# Allegro board LAY-95869_A.brd (continued)
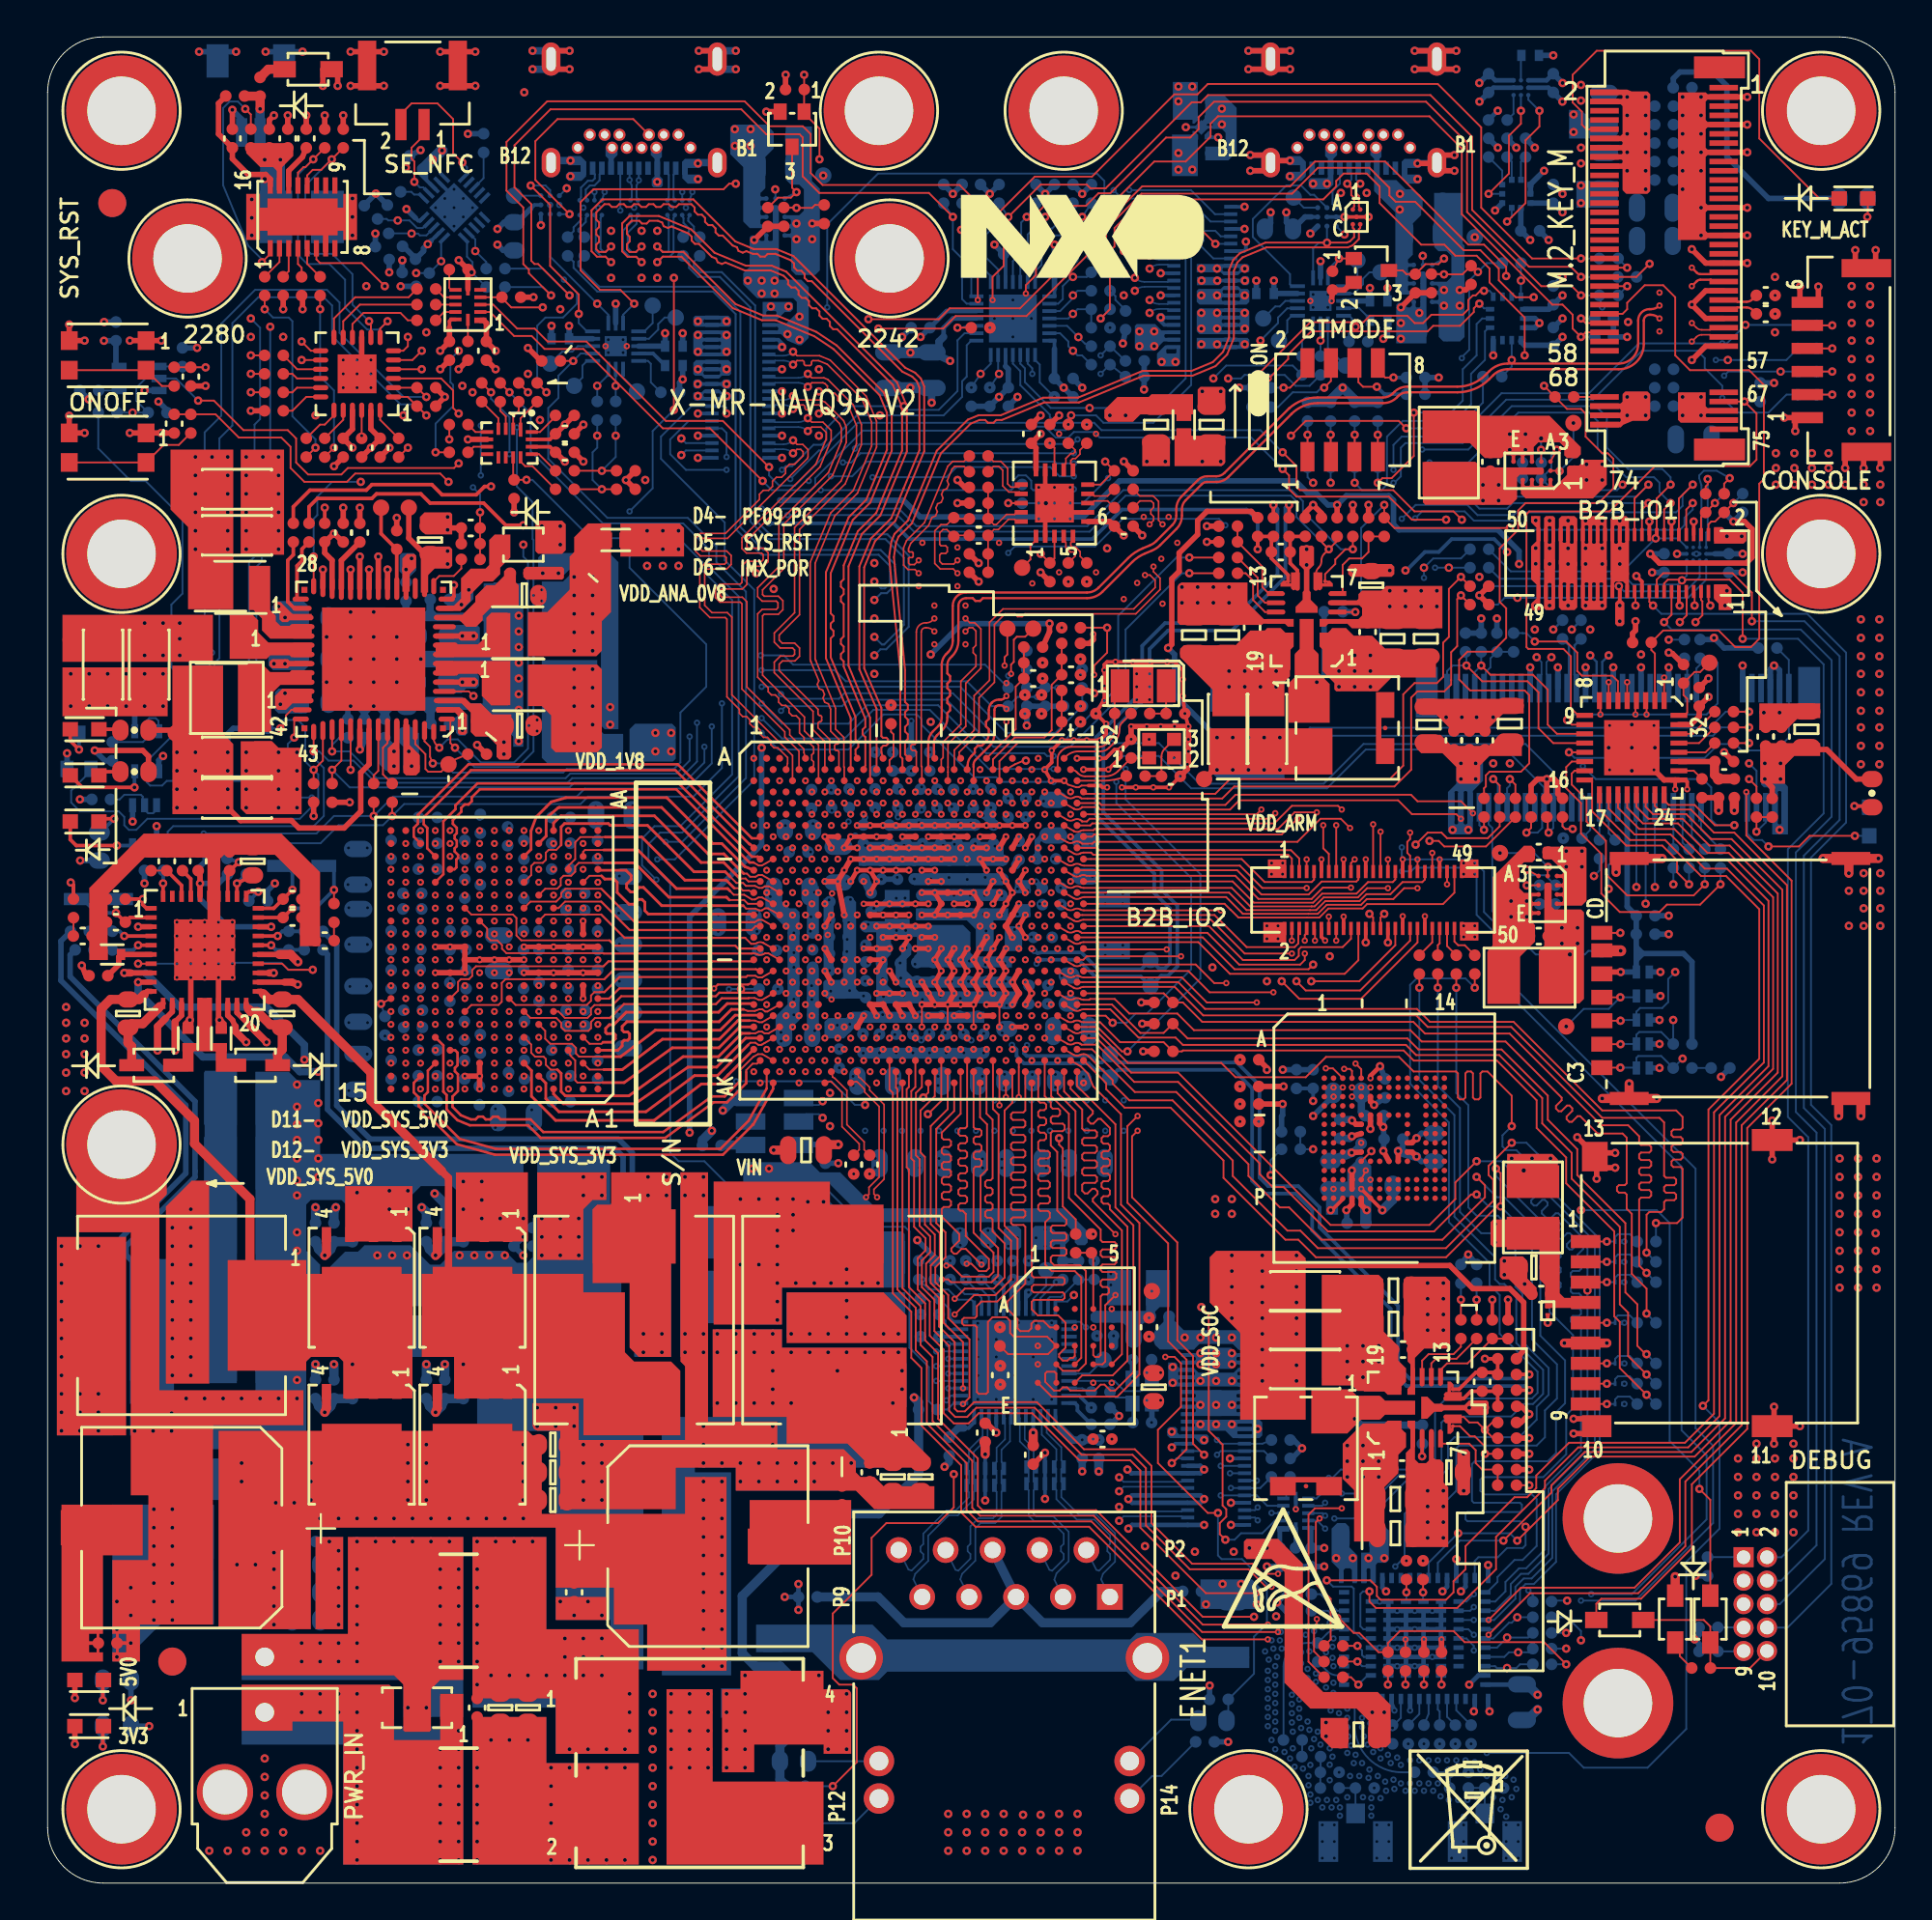
[diagram p0: board, top side]
## Routing (per net, layer and track width the routed paths; a pad name or vN(x,y) marks a point on that pad's centre or on a via; arc(x,y) is an arc through that point) (continued)
  BOTTOM w0.102: U35.26 50.55,31.7 50.35,31.9 49.64,31.9 v9(48.85,32.69) R315.2
ENET1_RD1: length 19.3
  TOP w0.102: v8(48.4,32.7) 48.75,32.7 48.9,32.55 51.1,32.55 51.45,32.9 51.45,34.4 50.5,35.35 50.5,38.3 50.85,38.65 50.85,41.1 50.47,41.48 U12.AK36
  L4_GND2 w0.3: v8(48.4,32.7) v6(47.85,32.7)
  L7_GND3 w0.3: v6(47.85,32.7) 47.36,32.7 v9(47.35,32.69)
  BOTTOM w0.102: U35.25 50.15,31.45 50,31.6 49.3,31.6 48.75,32.15 47.69,32.15 R316.1
ENET1_RD2: length 19.2
  TOP w0.102: v8(49.1,31.65) 49.65,32.2 51.2,32.2 51.8,32.8 51.8,34.65 51.15,35.3 51.15,35.94 51.05,36.04 50.85,36.04 50.75,36.14 50.75,36.35 50.85,36.45 51.05,36.45 51.15,36.55 51.15,36.75 51.05,36.85 50.85,36.85 50.75,36.96 50.75,37.16 50.85,37.26 51.05,37.26 51.15,37.36 51.15,37.57 51.05,37.67 50.85,37.67 50.75,37.77 50.75,37.97 50.85,38.07 51.05,38.07 51.15,38.17 51.15,41.35 50.82,41.68 U12.AJ37
  L4_GND2 w0.3: v8(49.1,31.65) v6(48.7,31.65)
  L7_GND3 w0.3: v6(48.7,31.65) 48.69,31.64 48.26,31.64 v9(48.26,31.65)
  BOTTOM w0.102: U35.24 49.09,30.4 48.85,30.64 48.85,31.06 v9(48.26,31.65)
ENET1_RD3: length 18.6
  TOP w0.102: v8(49.1,30.8) 50.15,31.85 51.3,31.85 52.15,32.7 52.15,34.8 51.48,35.48 51.48,41.62 51.17,41.93 U12.AH38
  L4_GND2 w0.3: v8(49.1,30.8) v6(48.7,30.8)
  L7_GND3 w0.3: v9(48.26,30.8) 48.26,30.79 48.69,30.79 v6(48.7,30.8)
  BOTTOM w0.102: U35.23 48.8,30 48.6,30.2 48.6,30.46 v9(48.26,30.8)
ENET1_RX_CTL: length 20.4
  TOP w0.102: v8(49.75,33.55) 50,33.55 50.4,33.15 50.8,33.15 50.95,33.3 50.95,33.8 49.7,35.05 49.7,36.25 49.53,36.42 49.4,36.42 49.3,36.52 49.3,36.72 49.4,36.82 49.67,36.82 49.77,36.92 49.77,37.13 49.67,37.23 49.4,37.23 49.3,37.33 49.3,37.53 49.4,37.64 49.67,37.64 49.77,37.74 49.77,37.94 49.67,38.04 49.4,38.04 49.3,38.14 49.3,38.35 49.4,38.45 49.67,38.45 49.77,38.55 49.77,38.75 49.67,38.85 49.4,38.85 49.3,38.96 49.3,39.16 49.4,39.26 49.67,39.26 49.77,39.36 49.77,39.57 49.67,39.67 49.4,39.67 49.3,39.77 49.3,39.97 49.4,40.07 49.67,40.07 49.77,40.18 49.77,40.38 49.67,40.48 49.4,40.48 49.3,40.58 49.3,40.79 49.4,40.89 49.67,40.89 49.77,40.99 U12.AH34
  L4_GND2 w0.3: v6(49.7,33.1) v8(49.75,33.55)
  L7_GND3 w0.3: v9(49.7,32.69) v6(49.7,33.1)
  BOTTOM w0.102: v9(49.7,32.69) 50.24,32.15 50.55,32.15 50.95,31.75 U35.27
ENET1_RXC: length 19.4
  TOP w0.102: U12.AJ33 49.42,41.67 48.4,40.65 48.4,40.38 48.5,40.28 48.8,40.28 48.9,40.17 48.9,39.97 48.8,39.87 48.5,39.87 48.4,39.77 48.4,39.57 48.5,39.46 48.8,39.46 48.9,39.36 48.9,39.16 48.8,39.06 48.5,39.06 48.4,38.96 48.4,38.75 48.5,38.65 48.8,38.65 48.9,38.55 48.9,38.35 48.8,38.24 48.5,38.24 48.4,38.14 48.4,37.94 48.5,37.84 48.8,37.84 48.9,37.74 48.9,37.53 48.8,37.43 48.5,37.43 48.4,37.33 48.4,37.13 48.5,37.03 48.8,37.03 48.9,36.92 48.9,36.72 48.8,36.62 48.5,36.62 48.4,36.52 48.4,36.1 49.35,35.15 49.35,34.81 48.92,34.38 48.92,34.23 49.06,34.09 49.2,34.09 49.47,34.35 49.7,34.35 v8(50.55,33.5)
  L4_GND2 w0.3: v8(50.55,33.5) v6(50.55,33.1)
  L7_GND3 w0.3: v9(50.55,32.69) v6(50.55,33.1)
  BOTTOM w0.102: U35.28 51.35,31.89 v9(50.55,32.69)
ENET1_TD0: length 32.7
  L3_IN1 w0.102: v7(54.6,28.4) 55,28.4 55.95,29.35 55.95,37.64 55.75,37.84 55.61,37.84 55.48,37.71 55.34,37.71 55.2,37.85 55.2,38 55.32,38.12 55.32,38.27 55.11,38.48 54.61,38.48 54.5,38.38 54.5,37.9 54.4,37.8 54.2,37.8 54.1,37.9 54.1,38.38 54,38.48 53.42,38.48 53.3,38.6 53.3,38.8 53.78,39.28 53.78,39.42 53.63,39.57 53.49,39.57 53.03,39.1 52.8,39.1 52.25,39.65 52.25,39.8 52.45,40 52.45,40.15 52.3,40.3 52.15,40.3 51.95,40.1 51.8,40.1 49.42,42.48 v4(49.42,45.16)
  L4_GND2 w0.3: v6(54.2,28.4) v7(54.6,28.4)
  L7_GND3 w0.3: v7(54.6,28.4) v6(54.2,28.4)
  L8_IN2 w0.102: v7(54.6,28.4) 54.34,28.14 50.09,28.14 49.83,28.4 v3(48.75,28.4)
  BOTTOM w0.102: U35.19 v3(48.75,28.4)
ENET1_TD1: length 33.3
  L3_IN1 w0.102: v7(55.25,28) 56.25,29 56.25,35.5 56.35,35.61 56.6,35.61 56.7,35.71 56.7,35.91 56.6,36.01 56.35,36.01 56.25,36.11 56.25,36.32 56.35,36.42 56.6,36.42 56.7,36.52 56.7,36.72 56.6,36.83 56.35,36.83 56.25,36.93 56.25,37.81 55.21,38.85 54.8,38.85 53.65,40 53.43,40 53.01,39.58 52.87,39.58 52.73,39.72 52.73,39.87 53.15,40.29 53.15,40.5 53.05,40.6 51.7,40.6 50.12,42.18 v4(50.12,45.16)
  L4_GND2 w0.3: v6(55.65,28) v7(55.25,28)
  L7_GND3 w0.3: v7(55.25,28) v6(55.65,28)
  L8_IN2 w0.102: v7(55.25,28) 54.59,28 54.43,27.84 49.68,27.84 49.52,28 v3(48.1,28)
  BOTTOM w0.102: U35.18 v3(48.1,28)
ENET1_TD2: length 31.4
  L3_IN1 w0.102: v7(54.75,27.6) 55.8,27.6 56.95,28.75 56.95,37.6 55.35,39.2 54.9,39.2 53,41.1 52.4,41.1 52.25,40.95 51.8,40.95 50.47,42.28 v4(50.47,45.77)
  L4_GND2 w0.3: v6(54.35,27.6) v7(54.75,27.6)
  L7_GND3 w0.3: v7(54.75,27.6) v6(54.35,27.6)
  L8_IN2 w0.102: v3(48.75,27.6) 49.35,27.6 49.78,27.17 54.32,27.17 v7(54.75,27.6)
  BOTTOM w0.102: U35.17 v3(48.75,27.6)
ENET1_TD3: length 32.5
  L3_IN1 w0.102: v4(50.82,45.16) 50.82,42.33 51.67,41.48 53.06,41.48 55.04,39.5 55.55,39.5 57.25,37.8 57.25,28.45 v7(56,27.2)
  L4_GND2 w0.3: v6(55.6,27.2) v7(56,27.2)
  L7_GND3 w0.3: v7(56,27.2) v6(55.6,27.2)
  L8_IN2 w0.102: v7(56,27.2) 55.68,26.88 49.55,26.88 49.23,27.2 v3(48.1,27.2)
  BOTTOM w0.102: U35.16 v3(48.1,27.2)
ENET1_TX_CTL: length 34.5
  L3_IN1 w0.102: v5(54.6,29.2) 54.6,29.7 55,30.1 55,31.9 55.25,32.15 55.25,32.46 55.35,32.57 55.55,32.57 55.65,32.67 55.65,32.87 55.55,32.97 55.15,32.97 55.05,33.07 55.05,33.28 55.15,33.38 55.55,33.38 55.65,33.48 55.65,33.68 55.55,33.79 55.15,33.79 55.05,33.89 55.05,34.09 55.15,34.19 55.55,34.19 55.65,34.29 55.65,34.5 55.55,34.6 55.15,34.6 55.05,34.7 55.05,34.9 55.15,35 55.55,35 55.65,35.11 55.65,35.31 55.55,35.41 55.15,35.41 55.05,35.51 55.05,35.72 55.15,35.82 55.55,35.82 55.65,35.92 55.65,36.12 55.55,36.22 55.15,36.22 55.05,36.33 55.05,36.53 55.15,36.63 55.55,36.63 55.65,36.73 55.65,36.93 55.55,37.04 55.35,37.04 55.25,37.14 55.25,37.35 55.05,37.55 53.9,37.55 49.07,42.38 v4(49.07,45.77)
  L4_GND2 w0.3: v6(55,29.2) v5(54.6,29.2)
  L7_GND3 w0.3: v7(55,28.8) v6(55,29.2)
  L8_IN2 w0.102: v7(55,28.8) 53.99,28.8 53.95,28.84 50.14,28.84 50.1,28.8 v3(48.1,28.8)
  BOTTOM w0.102: U35.20 v3(48.1,28.8)
ENET1_TXC: length 33.3
  L3_IN1 w0.102: v5(54,29.65) 54.75,30.4 54.75,30.61 54.65,30.71 54.25,30.71 54.15,30.81 54.15,31.01 54.25,31.11 54.65,31.11 54.75,31.22 54.75,31.42 54.65,31.52 54.25,31.52 54.15,31.62 54.15,31.83 54.25,31.93 54.65,31.93 54.75,32.03 54.75,32.23 54.65,32.33 54.25,32.33 54.15,32.44 54.15,32.64 54.25,32.74 54.65,32.74 54.75,32.84 54.75,33.05 54.65,33.15 54.25,33.15 54.15,33.25 54.15,33.45 54.25,33.55 54.65,33.55 54.75,33.65 54.75,33.86 54.65,33.96 54.25,33.96 54.15,34.06 54.15,34.26 54.25,34.37 54.65,34.37 54.75,34.47 54.75,34.67 54.65,34.77 54.25,34.77 54.15,34.87 54.15,35.08 54.25,35.18 54.65,35.18 54.75,35.28 54.75,35.48 54.65,35.59 54.25,35.59 54.15,35.69 54.15,35.89 54.25,35.99 54.65,35.99 54.75,36.09 54.75,36.3 54.65,36.4 54.25,36.4 54.15,36.5 54.15,36.7 54.25,36.8 54.65,36.8 54.75,36.91 54.75,37.1 54.65,37.2 53.8,37.2 48.8,42.2 48.8,43.7 48.33,44.17 48.33,44.77 v4(48.72,45.16)
  L4_GND2 w0.3: v5(54,29.65) v6(53.6,29.65)
  L7_GND3 w0.3: v7(53.6,29.2) v6(53.6,29.65)
  L8_IN2 w0.102: v3(48.75,29.2) 50.13,29.2 50.13,29.18 50.21,29.1 52.76,29.1 52.86,29.2 v7(53.6,29.2)
  BOTTOM w0.102: U35.21 v3(48.75,29.2)
ENET_MDC: length 45.5
  TOP w0.102: v8(49.55,25.95) 49.9,26.3 49.9,29.45 48.75,30.6 48.75,31.85 48.05,32.55 48.05,33.35 48.6,33.9 48.6,35.25 48.1,35.75 48.1,40.85 49.07,41.82 U12.AK32
  L4_GND2 w0.3: v8(49.55,25.95) v6(49.05,25.95)
  L7_GND3 w0.3: v9(48.65,26.15) v6(49.05,25.95)
  L8_IN2 w0.102: v3(63.3,24) 62.9,23.6 62.3,23.6 61.85,24.05 60.5,24.05 60.15,23.7 58.26,23.7 57.43,22.88 56.77,22.88 56.45,22.55 56.45,22.1 55.95,21.6 48.4,21.6 48.1,21.9 48.1,25.6 v9(48.65,26.15)
  BOTTOM w0.102: U35.14 48.9,26.4 v9(48.65,26.15) ; v3(63.3,24) 63.5,23.8 J17.23 65.76,23.8 R138.2
ENET_MDIO: length 45.8
  TOP w0.102: v8(49.55,26.8) 49.55,29.3 48.5,30.35 48.5,31.8 47.8,32.5 47.8,33.45 48.29,33.94 48.29,35.21 47.8,35.7 47.8,41 48.72,41.92 U12.AJ31
  L4_GND2 w0.3: v8(49.55,26.8) v6(49.15,26.8)
  L7_GND3 w0.3: v9(48.75,26.8) v6(49.15,26.8)
  L8_IN2 w0.102: v9(48.75,26.8) 47.65,25.7 47.65,21.8 48.25,21.2 56.55,21.2 58.55,23.2 61.45,23.2 61.85,22.8 62.9,22.8 v3(63.3,23.2)
  BOTTOM w0.102: R136.2 65.84,23.4 J17.21 63.5,23.4 v3(63.3,23.2) ; U35.15 v9(48.75,26.8)
ETH_INT: length 1.8
  TOP w0.102: R31.1 24.4,79.34 U5.4
ETH_REF_PAD_CLK_N: length 7.1
  L3_IN1 w0.102: v1(41.95,41.45) 41.65,41.75 41.35,41.75 41.05,42.05 41.05,42.78 42.44,44.17 42.44,44.69 42.77,45.02 v4(42.77,45.77)
  BOTTOM w0.089: v1(41.95,41.45) 41.75,41.65 41.05,41.65 Y3.5
ETH_REF_PAD_CLK_P: length 7.1
  L3_IN1 w0.091: v1(41.95,42.35) 41.65,42.05
  L3_IN1 w0.102: 41.65,42.05 41.48,42.05 41.35,42.18 41.35,42.65 42.48,43.77 42.62,43.77 42.85,43.55 43.25,43.55 43.5,43.8 43.5,44.04 43.12,44.42 v4(43.12,45.16)
  BOTTOM w0.089: v1(41.95,42.35) 41.75,42.15 41.2,42.15 40.83,42.52 Y3.4
ETH_RST: length 110.6
  TOP w0.102: R39.2 v1(21.74,78.2) ; v7(59,41.55) 58.45,41 58.45,36.85 60.65,34.65 60.65,29.35 61.65,28.35 61.65,23.5 60.9,22.75 v1(60.85,22.75)
  L3_IN1 w0.102: v1(21.74,78.2) 21.74,79.69 22.2,80.15 25.1,80.15 27.15,78.1 28.55,78.1 29.75,76.9 32.25,76.9 33.7,75.45 v9(41.85,75.45)
  L4_GND2 w0.3: v9(41.85,75.45) v6(41.45,75.45) ; v7(59,41.55) v6(59.4,41.55)
  L7_GND3 w0.3: v9(41.85,75.45) v6(41.45,75.45) ; v7(59,41.55) v6(59.4,41.55)
  L8_IN2 w0.102: v7(59,41.55) 62.05,44.6 62.05,53.4 63.2,54.55 63.2,59.25 63.75,59.8 63.75,62.85 62.6,64 62.6,65.91 64.9,68.21 64.9,71.19 64.5,71.59 64.5,73.45 63.6,74.35 63.6,75 61.15,77.45 57.1,77.45 56.85,77.2 56.85,76.05 56.3,75.5 v3(55.55,75.5)
  BOTTOM w0.102: v1(60.85,22.75) 61.1,23 J17.20 ; v3(55.55,75.5) 55.5,75.45 53.35,75.45 53.24,75.55 53.24,75.96 52.95,76.25 52.55,76.25 52.26,75.96 52.26,75.55 52.15,75.45 v9(41.85,75.45)
ETH_RX0_N: length 32.9
  L3_IN1 w0.091: v1(58,21.98) 57.77,21.75 51.55,21.75 49,24.3 49,30.2 48.74,30.46 48.74,31.98 49.34,32.58 49.34,34.87 45.02,39.2 44.2,39.2 43.92,38.92 43.92,38.6 v4(43.63,38.41)
  BOTTOM w0.089: J17.14 61.45,21.8 61.38,21.73 58.24,21.73 v1(58,21.98)
ETH_RX0_P: length 32.4
  L3_IN1 w0.091: v4(44.5,38.41) 44.21,38.6 44.21,38.8 44.32,38.91 44.89,38.91 49.05,34.75 49.05,32.7 48.45,32.1 48.45,30.33 48.71,30.08 48.71,24.18 51.43,21.45 57.77,21.45 v1(58,21.22)
  BOTTOM w0.089: J17.12 61.45,21.4 61.38,21.47 58.24,21.47 v1(58,21.22)
ETH_TX0_N: length 43.8
  TOP w0.089: v4(44.3,37.15) 44.46,37.31 44.46,37.69 45.01,38.24 45.01,42.06 44.23,42.84 44.23,42.99 43.84,43.38 43.77,43.42 U12.AK16
  L3_IN1 w0.091: v4(44.3,37.15) 44.45,37 44.45,36.7 44.89,36.26 46.33,36.26 47.66,34.93 47.66,22.33 50.18,19.8 55.78,19.8 57.13,18.45 58.7,18.45 59.2,18.95 59.2,19.6 58.65,20.15 58.23,20.15 v1(58,20.38)
  BOTTOM w0.089: v1(58,20.38) 58.24,20.13 61.38,20.13 61.45,20.2 J17.6
ETH_TX0_P: length 44
  TOP w0.089: v4(44.9,37.15) 44.73,37.32 44.73,37.58 45.28,38.13 45.28,42.17 44.5,42.95 44.5,43.1 44.01,43.59 43.9,43.66 U12.AJ17
  L3_IN1 w0.091: v4(44.9,37.15) 44.75,37 44.75,36.82 45.02,36.55 46.45,36.55 47.95,35.05 47.95,23.62 48.1,23.48 48.1,23.23 47.95,23.07 47.95,22.45 48.99,21.41 49.2,21.41 49.38,21.23 49.38,21.02 49.56,20.84 49.77,20.84 49.94,20.67 49.94,20.46 50.31,20.09 51.88,20.09 52.02,20.24 52.27,20.24 52.42,20.09 52.67,20.09 52.83,20.24 53.08,20.24 53.23,20.09 53.48,20.09 53.62,20.24 53.88,20.24 54.02,20.09 54.27,20.09 54.42,20.24 54.67,20.24 54.83,20.09 55.08,20.09 55.23,20.24 55.48,20.24 55.62,20.09 55.91,20.09 56.12,19.88 56.34,19.88 56.51,19.7 56.51,19.49 56.69,19.31 56.9,19.31 57.08,19.13 57.08,18.92 57.26,18.74 57.51,18.74 57.66,18.89 57.91,18.89 58.06,18.74 58.58,18.74 58.91,19.07 58.91,19.48 58.53,19.85 58.23,19.85 v1(58,19.62)
  BOTTOM w0.089: J17.4 61.45,19.8 61.38,19.87 58.24,19.87 v1(58,19.62)
ETH_WAKE: length 2.1
  TOP w0.102: U4.16 13.5,81.5 13.25,81.75 R27.1
ETH_WAKE_INT: length 123.3
  TOP w0.102: v7(59,40.75) 58.7,40.45 58.7,37.15 61.15,34.7 61.15,29.4 62,28.55 62,23.8 v1(62.6,23.2) ; R27.2 v1(11,81.75) ; v1(24,80.75) 23.5,81.25 R31.2
  L4_GND2 w0.3: v7(59,40.75) v6(59.4,40.75)
  L7_GND3 w0.3: v7(59,40.75) v6(59.4,40.75)
  L8_IN2 w0.102: v3(44.65,76.15) 43.5,77.3 41.85,77.3 40.3,78.85 34.2,78.85 32.75,77.4 v3(25,77.4) ; v3(55.55,76.2) 56.25,76.2 56.5,76.45 56.5,77.35 56.95,77.8 62.45,77.8 63,77.25 63,76.65 63.95,75.7 63.95,74.3 64.8,73.45 64.8,71.78 65.25,71.33 65.25,68.07 62.95,65.77 62.95,64.2 64.6,62.55 64.6,59.95 63.55,58.9 63.55,54.2 62.35,53 62.35,44.1 v7(59,40.75) ; v1(24,80.75) 23.6,80.75 22.85,80 20.45,80 20.05,80.4 14.8,80.4 13.45,81.75 v1(11,81.75)
  BOTTOM w0.102: v3(44.65,76.15) 48.65,76.15 49.2,76.7 54.28,76.7 54.78,76.2 v3(55.55,76.2) ; v3(25,77.4) 25,79.4 24,80.4 v1(24,80.75) ; v1(62.6,23.2) 62.4,23.4 J17.22
GPIO00_UART5_TX: length 13.3
  TOP w0.102: J4.3 67.35,55.5 67.15,55.7 56.6,55.7 56.48,55.82 56.07,55.82 arc(55.98,55.81) 55.9,55.77 55.89,55.77 arc(55.72,55.72) 55.55,55.77 U12.J49
GPIO01_UART5_RX: length 13
  TOP w0.102: U12.J51 56.78,56.07 56.9,55.95 67.3,55.95 67.75,55.5 J4.5
GPIO02_UART5_CTS_B: length 16.3
  TOP w0.102: U12.K48 55.2,55.17 arc(55.37,55.12) 55.55,55.17 55.55,55.17 arc(55.73,55.21) 55.9,55.17 arc(56,55.12) 56.1,55.11 64.54,55.11 65.75,53.9 v4(68.15,53.9) ; J4.7 v4(68.15,55.45)
  L3_IN1 w0.102: v4(68.15,53.9) v4(68.15,55.45)
GPIO03_UART5_RTS_B: length 13.5
  TOP w0.102: J4.9 68.55,54.35 68.43,54.23 65.87,54.23 64.63,55.47 56.47,55.47 U12.K52
GPIO04_CAN4_TX: length 18.5
  TOP w0.102: v4(69.05,57.3) 69.05,56.05 69.35,55.75 J4.13
  L3_IN1 w0.102: v4(69.05,57.3) 61.4,57.3 59.92,55.82 54.86,55.82 54.51,55.47 v4(53.97,55.47)
GPIO05_CAN4_RX: length 19.7
  TOP w0.102: J4.15 v4(69.75,57.3)
  L3_IN1 w0.102: v4(69.75,57.3) 69.42,56.97 61.67,56.97 60.05,55.35 55.9,55.35 55.68,55.13 55.01,55.13 54.94,55.2 54.22,55.2 53.77,55.01 v4(53.62,54.86)
GPIO06_TPM5_CH0: length 18.8
  TOP w0.102: v4(70.55,53.92) 69.03,53.92 68.42,53.31 65.54,53.31 64.29,54.56 56.4,54.56 56.25,54.56 arc(56.07,54.61) 55.9,54.56 arc(55.72,54.51) 55.55,54.56 U12.L49 ; v4(70.75,55.45) 70.55,55.25 J4.19
  L3_IN1 w0.102: v4(70.55,53.92) 70.55,55.25 v4(70.75,55.45)
GPIO07_ARM_IO: length 16.5
  TOP w0.102: J4.21 70.95,54.36 70.84,54.25 68.96,54.25 68.26,53.55 65.7,53.55 64.39,54.86 56.11,54.86 U12.L51
GPIO08_UART7_TX: length 22.3
  TOP w0.102: J4.25 v4(71.75,57.35)
  L3_IN1 w0.102: v4(71.75,57.35) 71.12,56.72 62.12,56.72 60.3,54.9 55.07,54.9 54.69,54.52 54.19,54.52 54.1,54.61 53.88,54.61 v4(53.27,54.26)
GPIO09_UART7_RX: length 21.5
  TOP w0.102: J4.27 v4(72.15,56.95)
  L3_IN1 w0.102: v4(72.15,56.95) 71.68,56.48 62.38,56.48 60.5,54.6 55.16,54.6 54.82,54.26 v4(53.97,54.26)
GPIO10_UART7_CTS_B: length 21
  TOP w0.102: J4.29 v4(72.55,55.45) ; v4(72.55,53.89) 71.43,53.89 70.93,53.39 69.07,53.39 68.59,52.9 68.42,52.9 65.1,52.9 64.09,53.91 56.07,53.91 arc(55.98,53.92) 55.9,53.95 arc(55.72,54) 55.55,53.95 arc(55.37,53.91) 55.2,53.95 U12.M48
  L3_IN1 w0.102: v4(72.55,53.89) v4(72.55,55.45)
GPIO11_UART7_RTS_B: length 18.3
  TOP w0.102: U12.M52 64.14,54.26 65.29,53.11 68.5,53.11 68.99,53.59 70.84,53.59 71.47,54.22 72.81,54.22 72.95,54.36 J4.31
GPIO12_SPI8_PCS0: length 23.7
  TOP w0.102: J4.35 73.75,55.65 73.6,55.8 73.6,56.4 73.75,56.55 v4(73.75,56.9)
  L3_IN1 w0.102: v4(53.62,53.65) 54.15,53.95 54.24,53.99 55,53.99 55.1,53.89 55.54,53.89 55.8,54.15 60.85,54.15 62.93,56.23 73.08,56.23 v4(73.75,56.9)
GPIO13_SPI8_SIN: length 22.4
  TOP w0.102: U12.N49 55.55,53.35 arc(55.72,53.3) 55.9,53.35 arc(56.01,53.39) 56.13,53.41 63.79,53.41 64.7,52.5 68.25,52.5 68.75,52.5 69.24,52.99 71.09,52.99 71.41,53.3 72.84,53.3 73.43,53.89 v4(74.15,53.89) ; J4.37 v4(74.15,55.45)
  L3_IN1 w0.102: v4(74.15,53.89) v4(74.15,55.45)
GPIO14_SPI8_SOUT: length 20.3
  TOP w0.102: U12.N51 63.95,53.65 64.9,52.7 68.33,52.7 68.67,52.7 69.16,53.19 71.01,53.19 71.38,53.56 72.69,53.56 73.34,54.22 74.41,54.22 74.55,54.36 J4.39
GPIO15_SPI8_SCK: length 23.9
  TOP w0.102: J4.41 v4(74.95,55.8)
  L3_IN1 w0.102: v4(53.27,53.04) 53.27,53.06 53.91,53.42 54.09,53.42 54.22,53.29 54.54,53.29 54.89,53.64 61.04,53.64 63.2,55.8 73.59,55.8 73.59,55.8 v4(74.95,55.8)
GPIO17_IMU_INT1: length 22.5
  TOP w0.102: U12.P48 55.2,52.74 arc(55.37,52.69) 55.55,52.74 arc(55.72,52.79) 55.9,52.74 arc(55.99,52.7) 56.09,52.69 v4(63.5,52.69) ; J4.45 v4(75.75,54.1)
  L3_IN1 w0.102: v4(75.75,54.1) 74.95,53.3 64.8,53.3 64.19,52.69 v4(63.5,52.69)
GPIO18_IMU_INT2: length 22.1
  TOP w0.102: U12.P52 63.71,53.04 64.02,52.73 64.03,52.73 64.46,52.3 68.17,52.3 68.84,52.3 69.32,52.79 71.18,52.79 71.42,53.03 75.53,53.03 76.15,53.65 J4.47
GPIO20_TPM3_CH1: length 14.6
  TOP w0.102: v4(67.35,50.35) 64.8,50.35 62.97,52.18 56.07,52.18 arc(55.98,52.17) 55.9,52.13 arc(55.73,52.09) 55.55,52.13 55.55,52.13 U12.R49 ; J4.4 v4(67.35,51.05)
  L3_IN1 w0.102: v4(67.35,51.05) v4(67.35,50.35)
GPIO21_TPM4_CH1: length 13.6
  TOP w0.102: J4.6 67.7,51.66 67.7,50.9 67.5,50.7 64.9,50.7 63.16,52.44 56.01,52.44 U12.R51
GPIO22_CAN5_TX: length 17.5
  TOP w0.102: J4.14 v4(69.35,52.35)
  L3_IN1 w0.102: v4(69.35,52.35) 65.9,52.35 65.35,51.8 63.15,51.8 62.49,52.46 54.97,52.46 54.59,52.08 54.21,52.08 54.13,52.16 53.85,52.16 v4(53.27,51.83)
GPIO23_CAN5_RX: length 17
  TOP w0.102: J4.16 v4(69.75,51.05)
  L3_IN1 w0.102: v4(53.97,51.83) 54.83,51.83 55.16,52.16 61.69,52.16 62.35,51.5 67.25,51.5 67.35,51.4 69.4,51.4 v4(69.75,51.05)
GPIO24_TPM3_CH3: length 16.1
  TOP w0.102: U12.T48 55.2,51.53 arc(55.37,51.48) 55.55,51.53 arc(55.72,51.58) 55.9,51.53 arc(55.93,51.5) 55.97,51.47 55.97,51.47 62.78,51.47 64.5,49.75 67.8,49.75 68.05,50 v4(68.05,50.35) ; v4(68.05,51.05) 68.05,51.35 68.15,51.45 J4.8
  L3_IN1 w0.102: v4(68.05,50.35) v4(68.05,51.05)
GPIO25_CAN2_TX: length 16.5
  TOP w0.102: U12.T52 56.49,51.83 62.87,51.83 64.7,50 67.5,50 67.72,50.22 67.72,50.57 67.85,50.7 70.1,50.7 70.55,51.15 J4.20
GPIO26_SPI8_PCS1: length 17.5
  TOP w0.102: J4.10 68.6,51.66 v4(68.6,51.05)
  L3_IN1 w0.102: v4(68.6,51.05) 68.6,50.4 67.9,49.7 64.2,49.7 63.35,50.55 61.05,50.55 60.7,50.2 60.45,50.2 60.1,50.55 56.35,50.55 55.7,51.2 53.65,51.2 v4(53.62,51.22)
GPIO27_CAN2_RX: length 18.8
  TOP w0.102: J4.22 70.95,49.99 70.21,49.25 64,49.25 62.28,50.97 56.07,50.97 arc(55.98,50.96) 55.9,50.92 55.88,50.92 arc(55.71,50.88) 55.55,50.92 U12.U49
I2C2_SCL: length 185.2
  TOP w0.102: R110.1 v1(18.65,57.8) ; v1(11.75,85.25) R16.1 ; v1(14.5,77.75) 14,77.25 R43.1 ; R76.1 v1(61.8,71.8) ; R144.1 v1(77.35,31.6)
  L3_IN1 w0.102: v4(52.92,58.5) 53.52,58.84 53.71,58.84 53.86,58.75 54.06,58.75 54.22,58.84 54.64,58.84 55.45,59.65 59.1,59.65 v7(59.85,60.4) 62.3,60.4 62.85,59.85 73.25,59.85 74.45,58.65 75.95,58.65 76.15,58.45 76.15,57.5 76.5,57.15 76.5,55.8 76.3,55.6 76.3,54.5 76.7,54.1 v7(77.35,54.1) ; v9(39.7,64.4) 38.8,63.5 36.9,63.5 v9(36.5,63.9)
  L4_GND2 w0.3: v9(39.7,64.4) v6(40.1,64.4) ; v7(59.85,60.4) v6(60.25,60.4) ; v9(36.5,63.9) v6(36.5,63.5) ; v7(77.35,54.1) v6(77.35,53.7)
  L7_GND3 w0.3: v9(39.7,64.4) v6(40.1,64.4) ; v7(59.85,60.4) v6(60.25,60.4) ; v7(77.35,54.1) v6(77.35,53.7) ; v9(36.5,63.9) v6(36.5,63.5)
  L8_IN2 w0.102: v1(77.35,31.6) 77.35,36.15 76.95,36.55 76.95,41.1 77.35,41.5 77.35,46.5 78.25,47.4 78.25,50.85 77.35,51.75 v7(77.35,54.1) ; v1(61.8,71.8) 61.4,71.8 59.4,69.8 59.4,63.05 59.85,62.6 v7(59.85,60.4) ; v1(14.5,77.75) 14.5,76.66 13.75,75.91 13.75,73 14.5,72.25 17.3,72.25 17.45,72.1 17.45,71.7 17.81,71.34 17.81,70.81 16.85,69.85 15.42,69.85 13.47,67.9 8.87,67.9 7.55,66.58 v3(7.55,56.33)
  BOTTOM w0.102: R122.2 v1(77.35,31.6) ; v1(14.5,77.75) 14.5,78.2 13.25,79.45 13.25,84.6 13.05,84.8 12.2,84.8 v1(11.75,85.25) ; v9(36.5,63.9) 36.5,60.4 34.95,58.85 29.25,58.85 28.85,58.45 19.3,58.45 v1(18.65,57.8) 18.15,57.3 15.75,57.3 14.78,56.33 v3(7.55,56.33) ; v1(61.8,71.8) 61.1,71.8 57.95,68.65 57.95,64.8 55.05,61.9 51.55,61.9 49,64.45 43.13,64.45 42.83,64.15 39.95,64.15 v9(39.7,64.4)
I2C2_SDA: length 177.6
  TOP w0.102: R109.1 v1(17.65,57.8) ; R83.1 v1(61.8,70.95) ; v1(15.5,77.75) 15,77.25 R44.1 ; v1(14.75,85.25) R19.1 ; R143.1 v1(76.5,31.6)
  L3_IN1 w0.102: v4(53.62,58.5) 54.25,58.14 54.94,58.14 55.65,58.85 59.15,58.85 v7(59.85,59.55) 61.65,59.55 61.8,59.4 73.15,59.4 74.33,58.23 75.33,58.23 75.6,57.95 75.6,56.75 75.85,56.5 75.85,54.5 76.3,54.05 76.3,53.65 v7(76.9,53.05) ; v9(39.7,63.5) 38.85,62.65 v9(35.95,62.65)
  L4_GND2 w0.3: v9(35.95,62.65) v6(35.95,62.25) ; v7(59.85,59.55) v6(60.25,59.55) ; v9(39.7,63.5) v6(40.1,63.5) ; v7(76.9,53.05) v6(76.9,52.65)
  L7_GND3 w0.3: v7(59.85,59.55) v6(60.25,59.55) ; v9(39.7,63.5) v6(40.1,63.5) ; v7(76.9,53.05) v6(76.9,52.65) ; v9(35.95,62.65) v6(35.95,62.25)
  L8_IN2 w0.102: v3(8.45,56.85) 8.45,65.5 8.25,65.7 8.25,66.5 9.1,67.35 13.7,67.35 15.65,69.3 17,69.3 18.01,70.31 18.01,71.36 18.3,71.65 18.3,72.15 17.8,72.65 14.85,72.65 14.15,73.35 14.15,75.7 15,76.55 15,77.25 v1(15.5,77.75) ; v7(76.9,53.05) 76.9,51.15 77.7,50.35 77.7,47.65 76.5,46.45 v1(76.5,31.6) ; v7(59.85,59.55) 60.25,59.95 60.25,62.75 59.9,63.1 59.9,69.45 61.4,70.95 v1(61.8,70.95)
  BOTTOM w0.102: v1(15.5,77.75) 15.5,80.85 14.75,81.6 v1(14.75,85.25) ; v9(39.7,63.5) 39.95,63.75 43,63.75 43.35,64.1 48.65,64.1 51.2,61.55 55.35,61.55 58.35,64.55 58.35,67.9 61.4,70.95 v1(61.8,70.95) ; v3(8.45,56.85) 14.55,56.85 15.5,57.8 v1(17.65,57.8) 18.7,58.85 28.64,58.85 29.07,59.28 34.58,59.28 35.95,60.65 v9(35.95,62.65) ; R111.2 v1(76.5,31.6)
I2C3_SCL: length 127.9
  TOP w0.102: R54.1 v1(30,75.5) R105.2 ; R98.1 v1(92.1,62.6)
  L3_IN1 w0.102: v1(29.75,78.4) 30.35,77.8 32.55,77.8 33.95,76.4 37.3,76.4 38.1,77.2 39.15,77.2 39.6,76.75 42.85,76.75 v9(43.05,76.95) ; v4(53.27,50.62) 53.27,51.34 53.51,51.58 53.75,51.58 53.82,51.51 53.83,51.51 53.84,51.51 61.49,51.51 61.95,51.05 64.9,51.05 65.6,50.35 v5(66.2,50.35)
  L4_GND2 w0.3: v5(66.2,50.35) v6(66.6,50.35) ; v9(43.05,76.95) v6(42.65,76.95)
  L7_GND3 w0.3: v9(43.05,76.95) v6(42.65,76.95) ; v7(67,50.35) v6(66.6,50.35)
  L8_IN2 w0.102: v3(55.55,77.45) 56.65,78.55 59.5,78.55 62.45,81.5 v1(63.1,81.5) 63.1,79.35 64.75,77.7 64.75,74.3 66.15,72.9 66.15,67.6 64.35,65.8 64.35,64.15 66.3,62.2 66.3,61.8 v3(67.25,60.85) 67.25,60.14 66.86,59.75 65.6,59.75 64.65,58.8 64.65,53.45 67,51.1 v7(67,50.35)
  BOTTOM w0.102: v3(55.55,77.45) 44,77.45 43.5,76.95 v9(43.05,76.95) ; R228.2 v1(29.75,78.4) 29.75,77.75 29.5,77.5 29.5,76 v1(30,75.5) ; v3(67.25,60.85) 68.55,62.15 84.8,62.15 85.05,61.9 86.65,61.9 86.9,62.15 90.15,62.15 90.6,62.6 v1(92.1,62.6) ; v1(63.1,81.5) 63.8,82.2 67.39,82.2 R208.2
I2C3_SDA: length 127
  TOP w0.102: R95.1 v1(92.1,63.45) ; v1(68.5,49.75) 68.25,49.5 64.25,49.5 62.52,51.23 U12.U51 ; R121.2 v1(30,76.5) R49.1
  L3_IN1 w0.102: v1(30.75,78.4) 32.7,78.4 34.3,76.8 36.95,76.8 38.95,78.8 40.35,78.8 41.45,77.7 v9(43.7,77.7)
  L4_GND2 w0.3: v9(43.7,77.7) v6(43.3,77.7)
  L7_GND3 w0.3: v9(43.7,77.7) v6(43.3,77.7)
  L8_IN2 w0.102: v3(55.75,78.2) 56.57,79.02 59.27,79.02 62.2,81.95 63.45,81.95 v1(63.9,81.5) 63.9,79.3 65.1,78.1 65.1,74.4 66.5,73 66.5,66.75 65.85,66.1 65.55,66.1 65.2,65.75 65.2,64.2 67.25,62.15 v3(67.25,61.5) 67.7,61.05 67.7,59.95 67.1,59.35 65.65,59.35 65,58.7 65,53.7 68.5,50.2 v1(68.5,49.75)
  BOTTOM w0.102: v3(67.25,61.5) 68.33,62.58 85.12,62.58 85.35,62.35 86.27,62.35 86.5,62.58 89.97,62.58 90.84,63.45 v1(92.1,63.45) ; R227.2 v1(30.75,78.4) 30.75,77.25 v1(30,76.5) ; v3(55.75,78.2) 55.5,77.95 43.95,77.95 v9(43.7,77.7) ; R207.2 68.31,81.1 67.55,81.1 66.96,81.69 64.79,81.69 64.6,81.5 v1(63.9,81.5)
I2C4_SCL: length 89
  TOP w0.102: J3.18 87.1,75 v1(87.85,75.75)
  L3_IN1 w0.102: v4(54.67,50.62) 55.09,50.2 v7(59.8,50.2)
  L4_GND2 w0.3: v7(59.8,50.2) v6(59.8,49.8)
  L7_GND3 w0.3: v7(59.8,50.2) v6(59.8,49.8)
  L8_IN2 w0.102: v7(59.8,50.2) 59.8,53.85 61.75,55.8 61.75,62.45 61.15,63.05 61.15,67.5 62.65,69 62.65,72.2 59.8,75.05 55.5,75.05 55.15,75.4 55.15,78.55 56.45,79.85 56.45,81.2 v3(57,81.75) 61.35,81.75 62.15,82.55 68.55,82.55 69.2,81.9 71.7,81.9 72.85,80.75 73.6,80.75 74.4,79.95 74.4,77.65 v3(74.4,77.65)
  BOTTOM w0.102: R135.2 R205.1 57.5,82.25 v3(57,81.75) ; v1(87.85,75.75) 87.85,76.15 87.4,76.6 85.55,76.6 84.4,77.75 84.4,79.4 83.8,80 79.25,80 76.9,77.65 v3(74.4,77.65)
I2C4_SDA: length 91.3
  TOP w0.102: v1(87.85,74.75) 87.5,74.4 J3.16
  L3_IN1 w0.102: v4(53.97,50.62) 54.33,50.47 55.05,49.75 v7(59,49.75)
  L4_GND2 w0.3: v7(59,49.75) v6(59,49.35)
  L7_GND3 w0.3: v7(59,49.75) v6(59,49.35)
  L8_IN2 w0.102: v7(59,49.75) 59,51.8 59.3,52.1 59.3,53.95 61.3,55.95 61.3,62.3 60.27,63.33 60.27,67.32 61.85,68.9 61.85,70.4 62.25,70.8 62.25,71.95 59.65,74.55 55.4,74.55 54.75,75.2 54.75,78.8 55.55,79.6 55.55,81.3 v3(57,82.75) 60.1,82.75 60.25,82.9 70.45,82.9 70.9,82.45 72.65,82.45 74.8,80.3 v3(74.8,76.95)
  BOTTOM w0.102: R133.2 R202.1 57.5,83.25 v3(57,82.75) ; v3(74.8,76.95) 76.91,76.95 79.61,79.65 83.44,79.65 83.9,79.19 83.9,77.7 85.45,76.15 86.95,76.15 87.25,75.85 87.25,75.35 v1(87.85,74.75)
I3C1_SCL_1V8: length 36.7
  TOP w0.102: J3.6 89.5,73.99 R372.1 89.75,74.25 v1(90.25,74.75) ; v1(80.75,96) 80.75,95.15 80,94.4 80,91 v1(79,90)
  L8_IN2 w0.102: v1(90.25,74.75) 90.65,75.15 90.65,78.6 91.1,79.05 91.1,83.55 90.15,84.5 88.11,84.5 85.61,87 85.3,87 83.65,88.65 82.64,88.65 81.99,88 79.56,88 79,88.56 v1(79,90)
  BOTTOM w0.102: v1(90.25,74.75) 90.75,75.25 R378.2 ; v1(79,90) 79.25,90.25 U20.2 ; U18.A3 80.15,96.6 v1(80.75,96)
I3C1_SCL_3V3: length 32.7
  TOP w0.102: U12.D48 55.2,58.8 arc(55.37,58.76) 55.55,58.8 arc(55.72,58.85) 55.89,58.81 55.9,58.8 arc(55.93,58.78) 55.97,58.75 56.29,58.75 63.58,58.75 64.23,59.4 72.9,59.4 73.8,60.3 73.81,60.33 73.81,64.21 74.15,64.55 75.6,64.55 75.97,64.92 75.97,65.16 75.97,65.16 75.97,66.67 76.3,67 76.3,69.55 v1(76.5,69.75) 76.99,69.26 R112.2
  BOTTOM w0.102: v1(76.5,69.75) 76.99,69.26 R112.2
I3C1_SDA_1V8: length 37.5
  TOP w0.102: v1(78,91.5) 79.1,92.6 79.1,94.65 79.75,95.3 v1(79.75,96) ; J3.4 89.9,73.6 90.05,73.75 90.26,73.75 R373.1 90.75,74.25 v1(91.25,74.75)
  L8_IN2 w0.102: v1(78,91.5) 78.35,91.5 79.55,90.3 79.55,88.65 79.75,88.45 81.8,88.45 82.45,89.1 84.5,89.1 88.65,84.95 90.5,84.95 91.55,83.9 91.55,80.75 91.45,80.65 91.45,80.05 91.55,79.95 91.55,75.05 v1(91.25,74.75)
  BOTTOM w0.102: v1(91.25,74.75) 91.75,75.25 R379.2 ; U18.A2 v1(79.75,96) ; U20.4 v1(78,91.5)
I3C1_SDA_3V3: length 31.6
  TOP w0.102: U12.D52 56.18,59 63.2,59 64,59.8 72.65,59.8 73.38,60.53 73.38,64.39 73.99,65 75.2,65 75.54,65.34 75.54,67.19 75.85,67.5 75.85,70.1 v1(76.5,70.75) 76.99,70.26 R123.2
  BOTTOM w0.102: v1(76.5,70.75) 76.99,70.26 R123.2
I3C2_SCL_1V8: length 98.4
  TOP w0.102: U12.AK40 51.87,43.07 v4(51.87,42.57)
  L3_IN1 w0.102: v5(71.35,37.25) 71,36.9 68.77,36.9 66.02,39.65 64.06,39.65 62.41,41.3 59.45,41.3 59.25,41.1 55.25,41.1 54.15,42.2 52.24,42.2 v4(51.87,42.57)
  L4_GND2 w0.3: v5(71.35,37.25) v6(71.75,37.25)
  L7_GND3 w0.3: v7(72.15,37.25) v6(71.75,37.25)
  L8_IN2 w0.102: v3(57.51,86.25) 57.51,86.61 57.85,86.95 57.85,87.55 58.1,87.8 58.65,87.8 59.65,88.8 60.55,88.8 61.5,87.85 67.05,87.85 68,86.9 72.75,86.9 73.65,86 73.65,84.95 75.85,82.75 75.85,75.2 73.1,72.45 72.4,72.45 71.45,71.5 71.45,67.45 71.2,67.2 71.2,64.5 71.55,64.15 71.55,53.95 70.8,53.2 70.8,48.8 69.8,47.8 69.8,38.7 71.25,37.25 v7(72.15,37.25)
  BOTTOM w0.102: v3(57.51,86.25) 57.8,85.96 57.8,85.75 58.35,85.2 R139.2
I3C2_SDA_1V8: length 103.5
  TOP w0.102: v4(51.52,42.13) U12.AJ39
  L3_IN1 w0.102: v5(71.25,35.65) 70.9,36 69.1,36 65.95,39.15 63.95,39.15 62.25,40.85 59.85,40.85 59.25,40.25 55.5,40.25 53.95,41.8 51.85,41.8 51.52,42.13 v4(51.52,42.13)
  L4_GND2 w0.3: v5(71.25,35.65) v6(71.65,35.65)
  L7_GND3 w0.3: v7(72.05,35.65) v6(71.65,35.65)
  L8_IN2 w0.102: v3(57.51,87.25) 57.51,89.66 57.9,90.05 58.75,90.05 59.6,89.2 60.85,89.2 61.65,88.4 67.75,88.4 68.7,87.45 72.75,87.45 76.2,84 76.2,74.95 73.35,72.1 72.6,72.1 71.85,71.35 71.85,67.25 72.5,66.6 72.5,61.55 71.9,60.95 71.9,53.65 71.15,52.9 71.15,51.9 71.9,51.15 71.9,44.75 71.15,44 71.15,39.4 72.9,37.65 72.9,36.25 72.3,35.65 v7(72.05,35.65)
  BOTTOM w0.102: v3(57.51,87.25) R137.2
I3C2A_SCL_1V8: length 121.1
  TOP w0.102: J3.12 88.3,75 v1(89.05,75.75)
  L8_IN2 w0.102: v1(55,90.25) 55,87.37 57.82,84.55 59.84,84.55 60.18,84.41 61.66,84.41 61.85,84.6 69.6,84.6 71.1,83.1 72.6,83.1 75.15,80.55 75.15,75.75 v3(73.3,73.9) 72.65,73.25 71.1,73.25 70.25,72.4 70.25,70.75 69.52,70.02 69.52,64.58 70.5,63.6 70.5,58.92 70.85,58.57 70.85,58.56 70.93,58.48 70.93,56.97 70.85,56.89 70.85,54.45 70.02,53.62 70.02,49.28 68.92,48.18 68.92,37.83 68.62,37.53 68.62,36.68 69.5,35.8 69.5,23.42 66.77,20.69 66.77,20.62 66.75,20.6 66.75,19.95 66.5,19.7 66.06,19.7 65.82,19.94 65.82,20.03 v3(65.5,20.35)
  BOTTOM w0.102: U31.27 53.05,87.6 53.4,87.95 53.4,88.95 54.08,89.62 54.38,89.62 v1(55,90.25) R177.2 ; v3(73.3,73.9) 74.05,74.65 76.85,74.65 77.4,74.1 79.35,74.1 79.5,74.25 88.15,74.25 88.5,74.6 88.5,75.2 v1(89.05,75.75) ; J17.5 65.35,20.2 v3(65.5,20.35)
